# Altium PCB OSP_Carrier_V7_Release.PcbDoc (part 1 of 3)
Units mil, origin at the board's own origin, x right, y up, seen from the top; angles counter-clockwise.
Board outline 2523.62 x 2011.81 mil, 4 copper layers (Component Side, Signal Layer 1, Signal Layer 2, Solder Side), stack 62.2 mil thick; 153 components, 119 nets, 1098 pads, 392 vias.
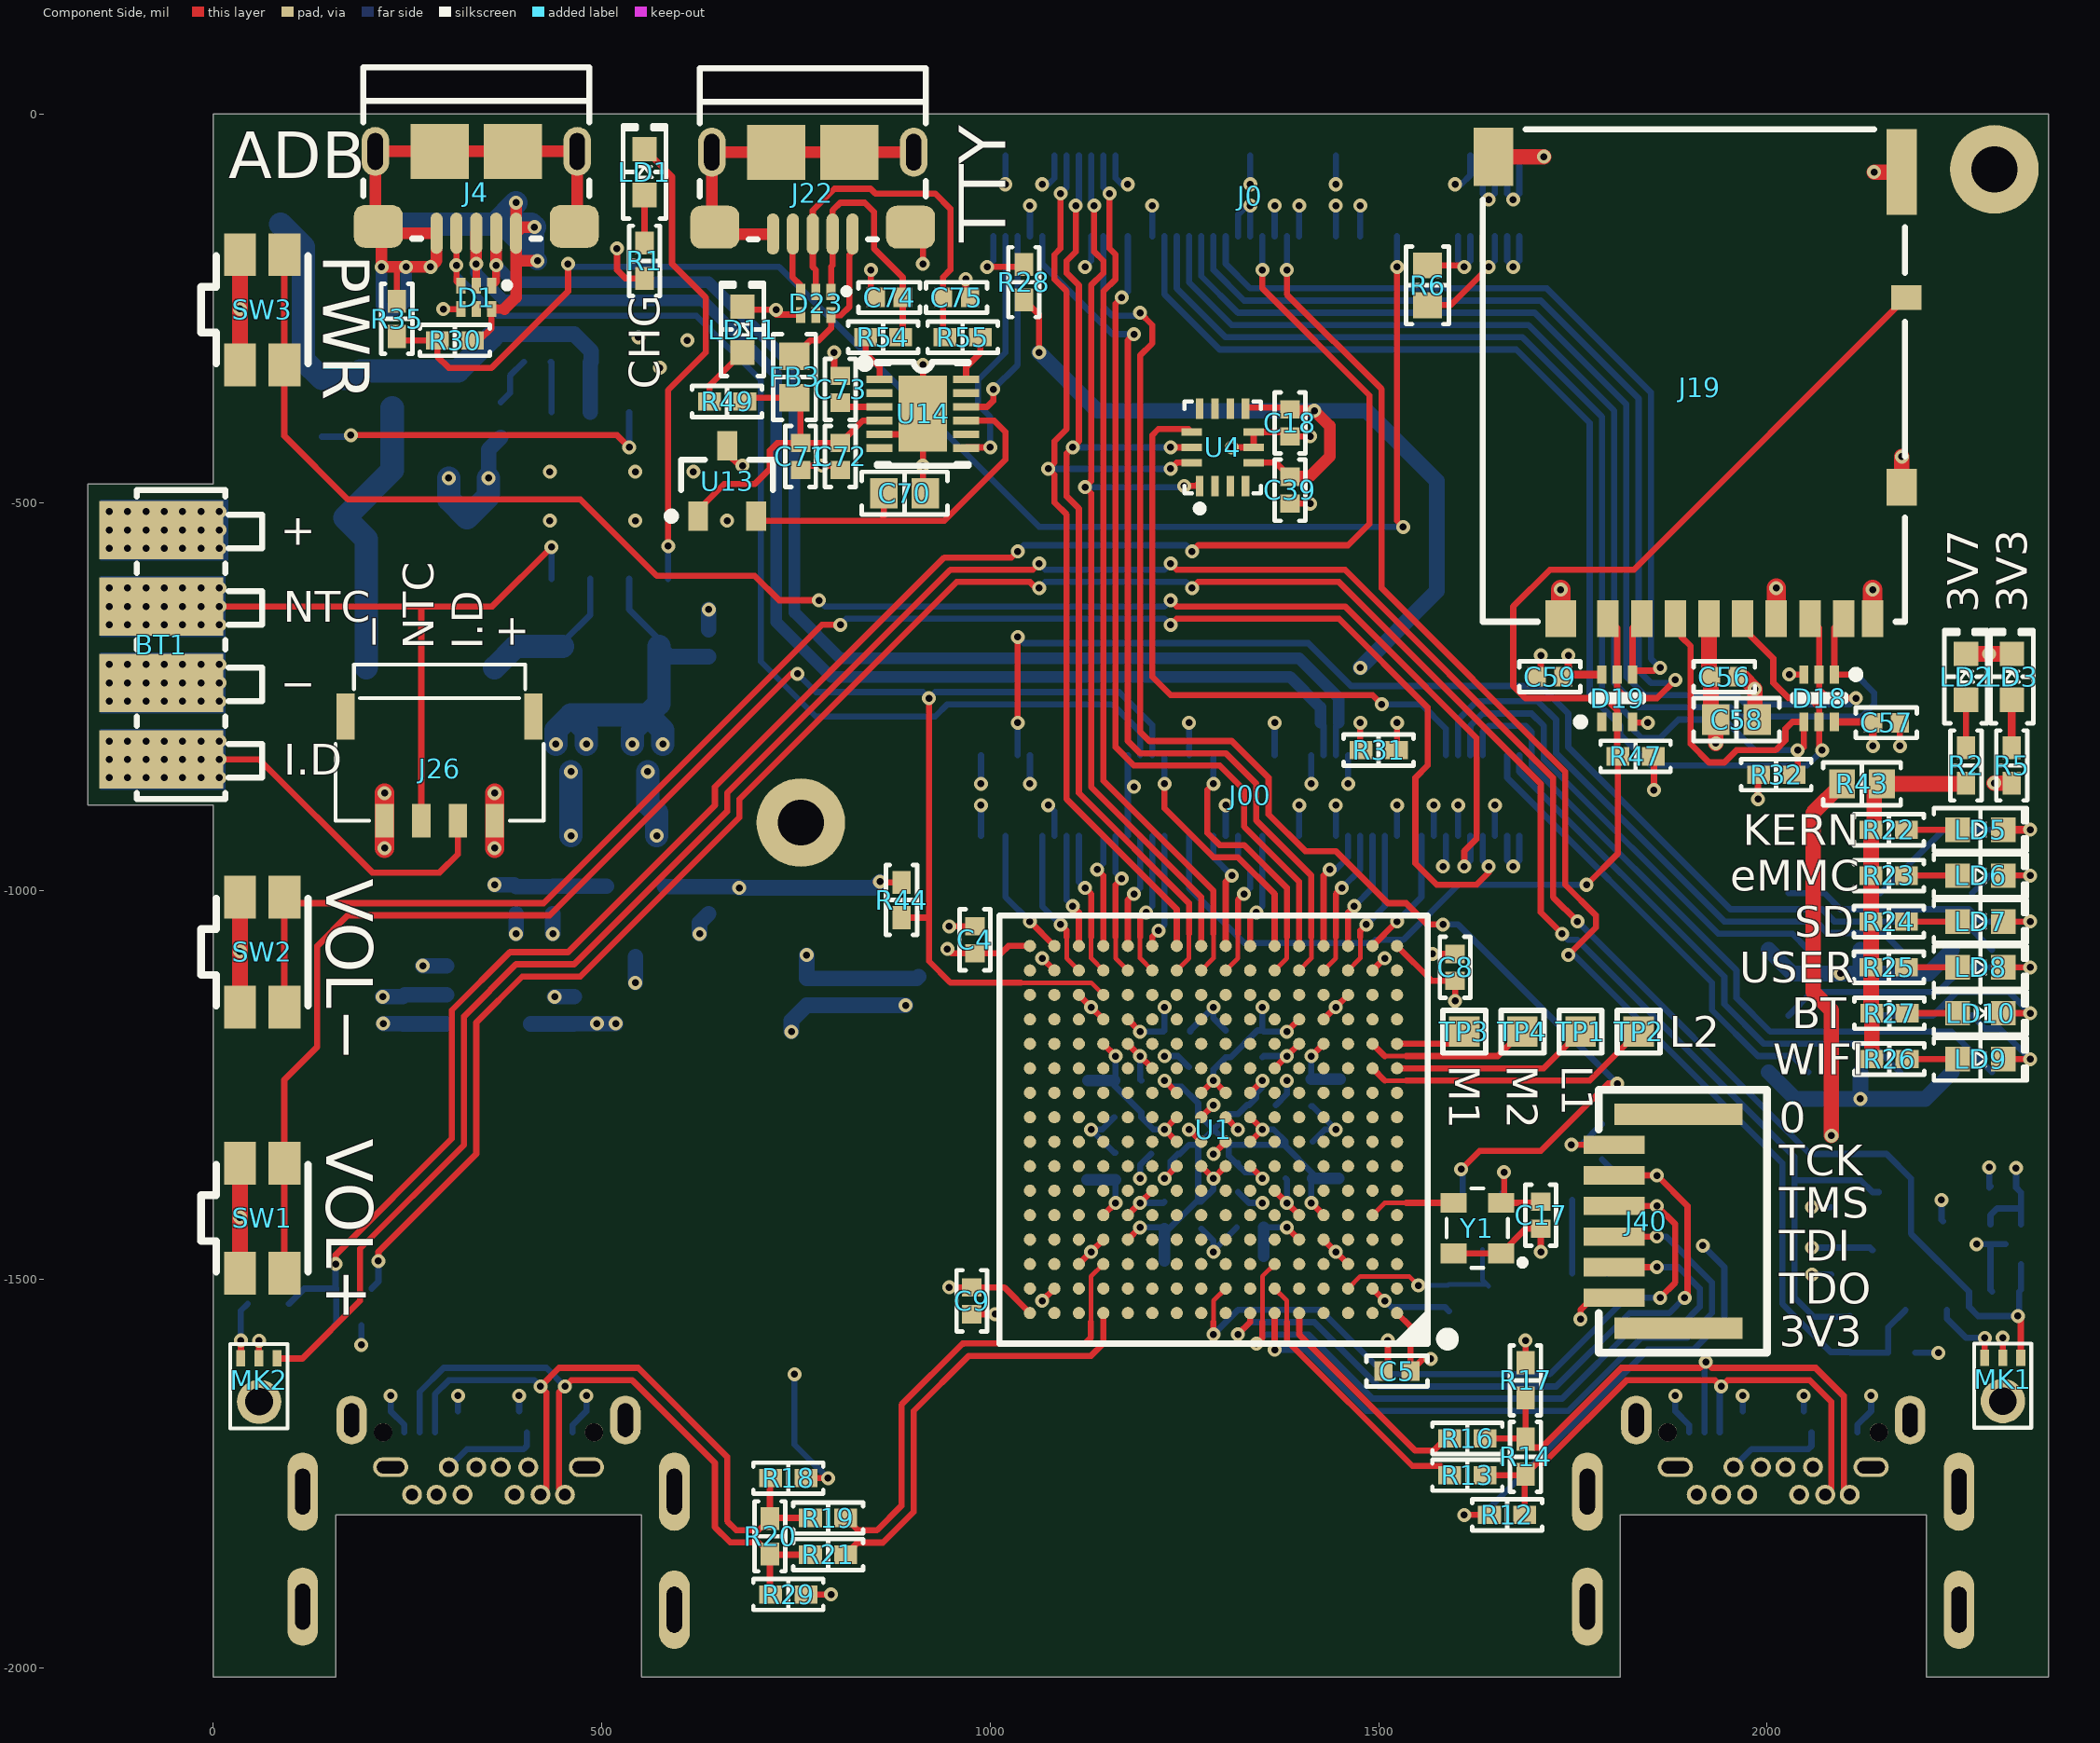
[diagram p0: Component Side view]
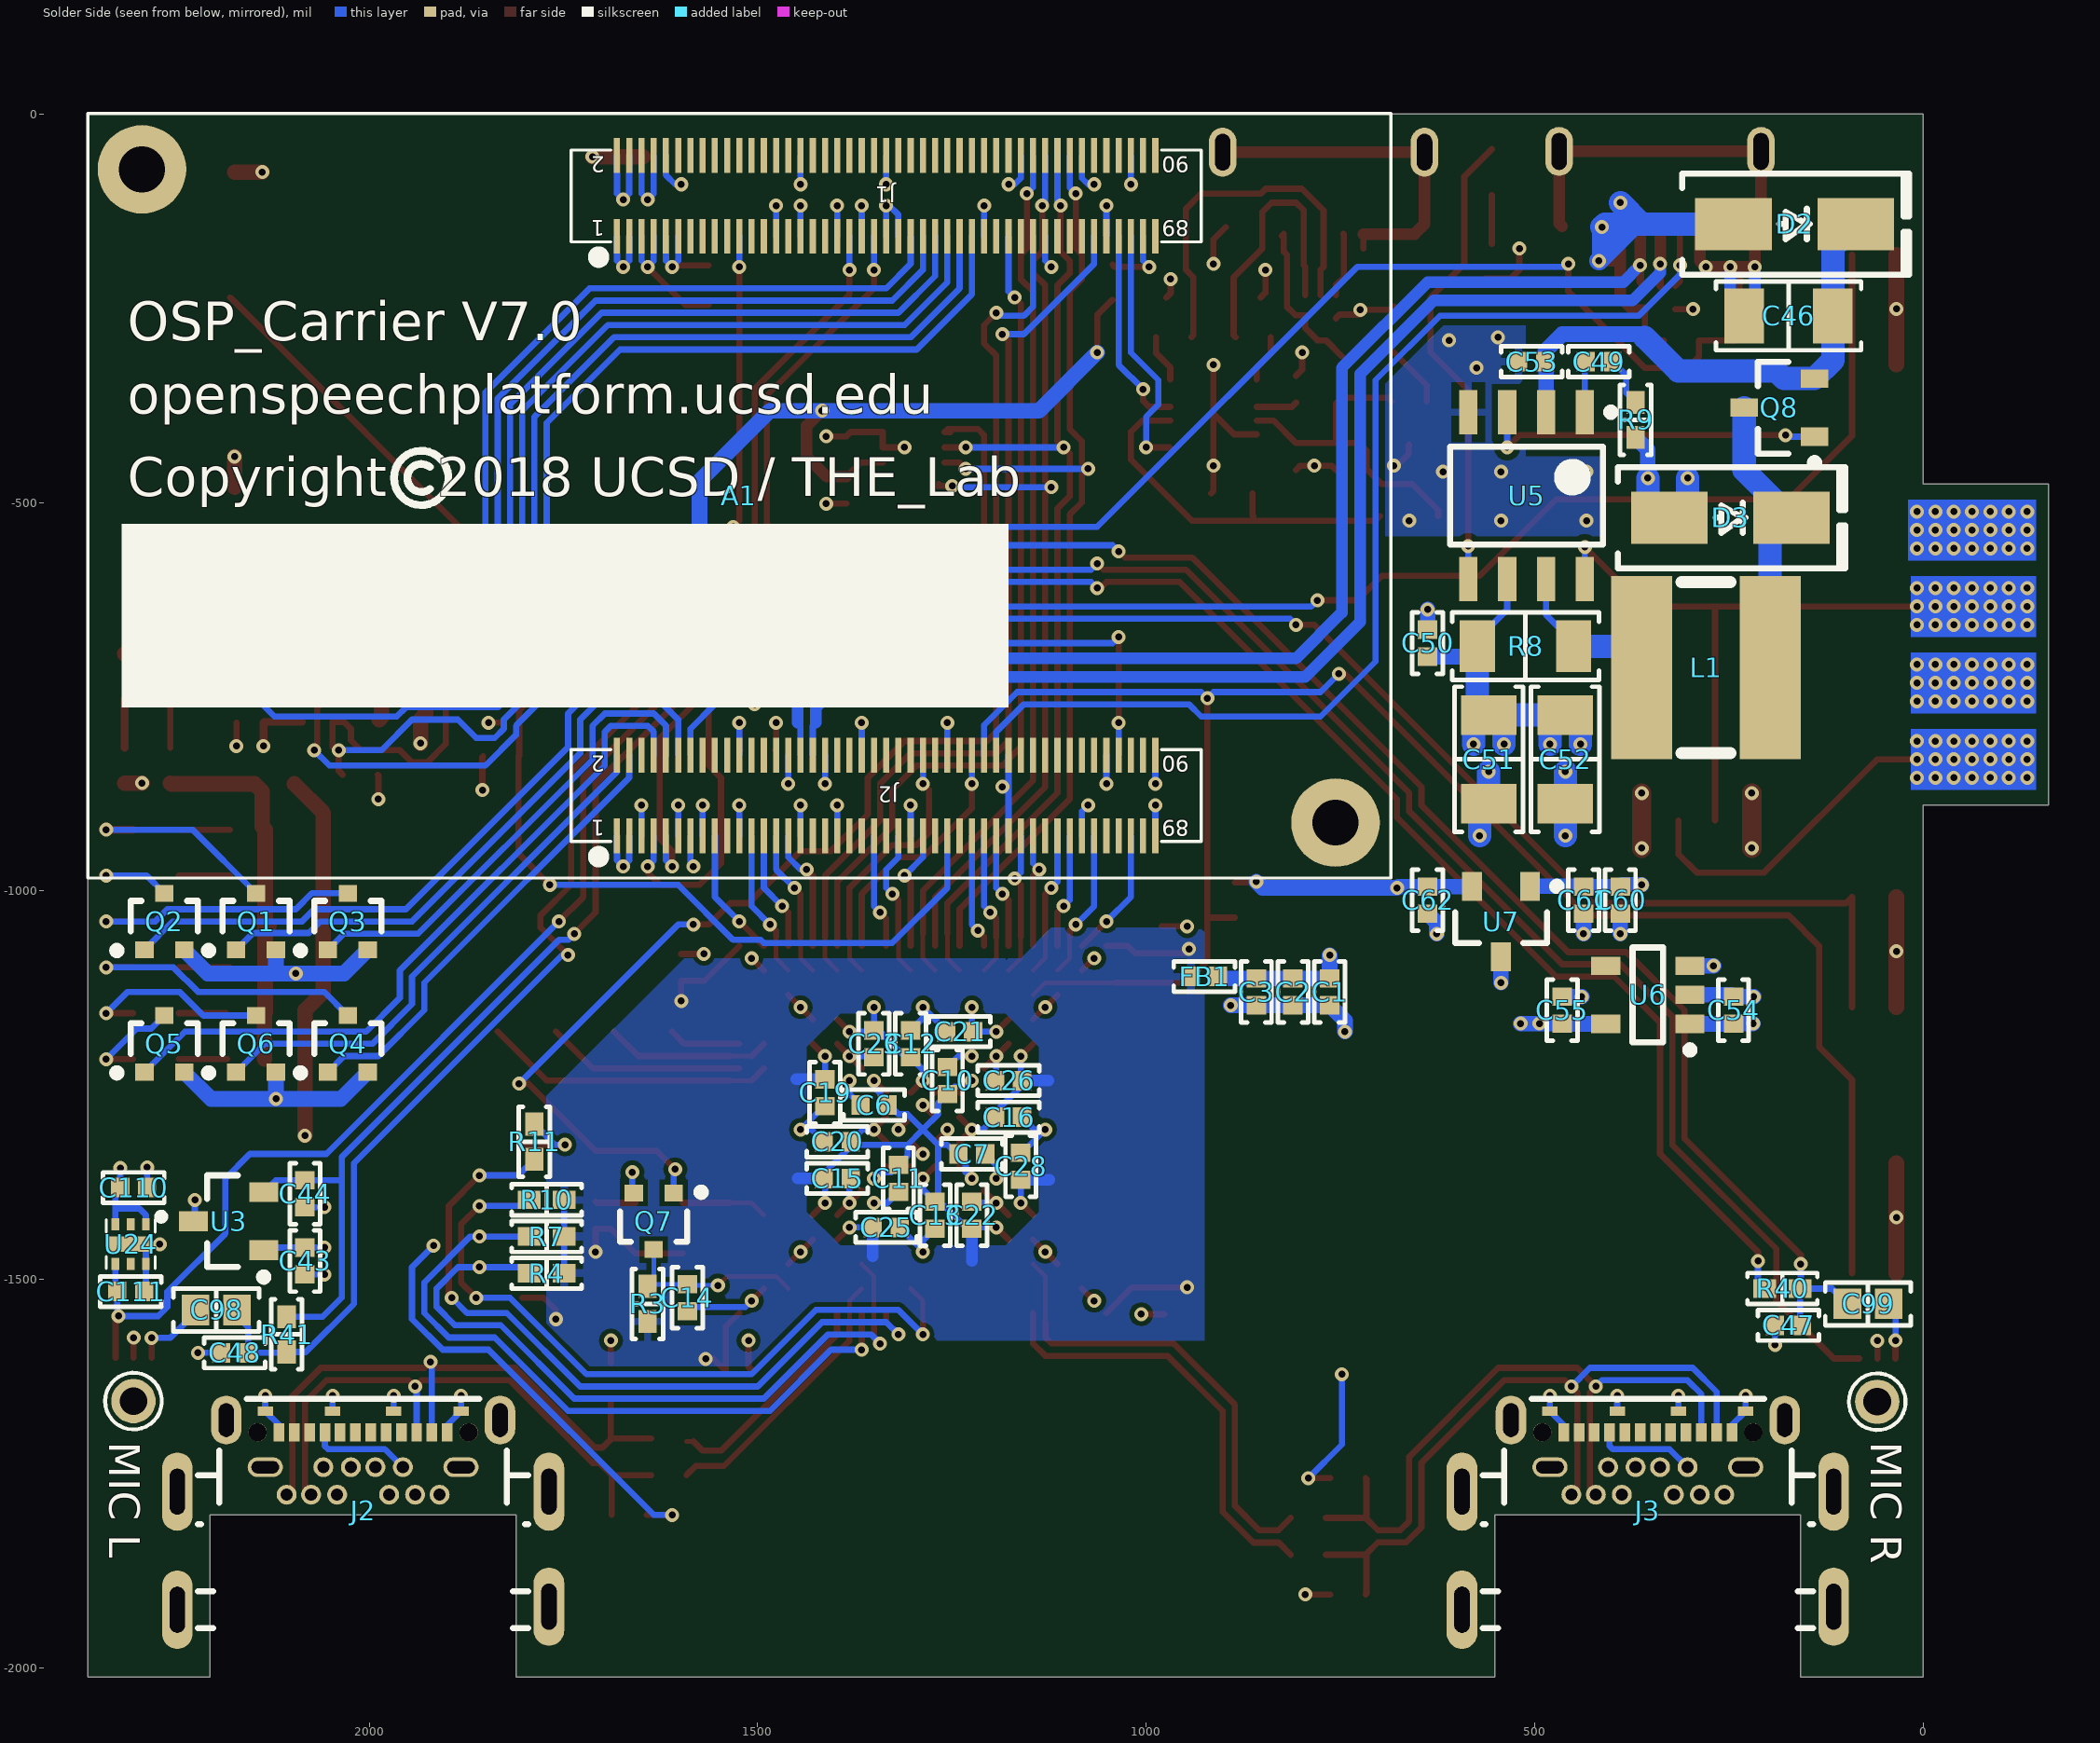
[diagram p1: Solder Side view, seen from below]
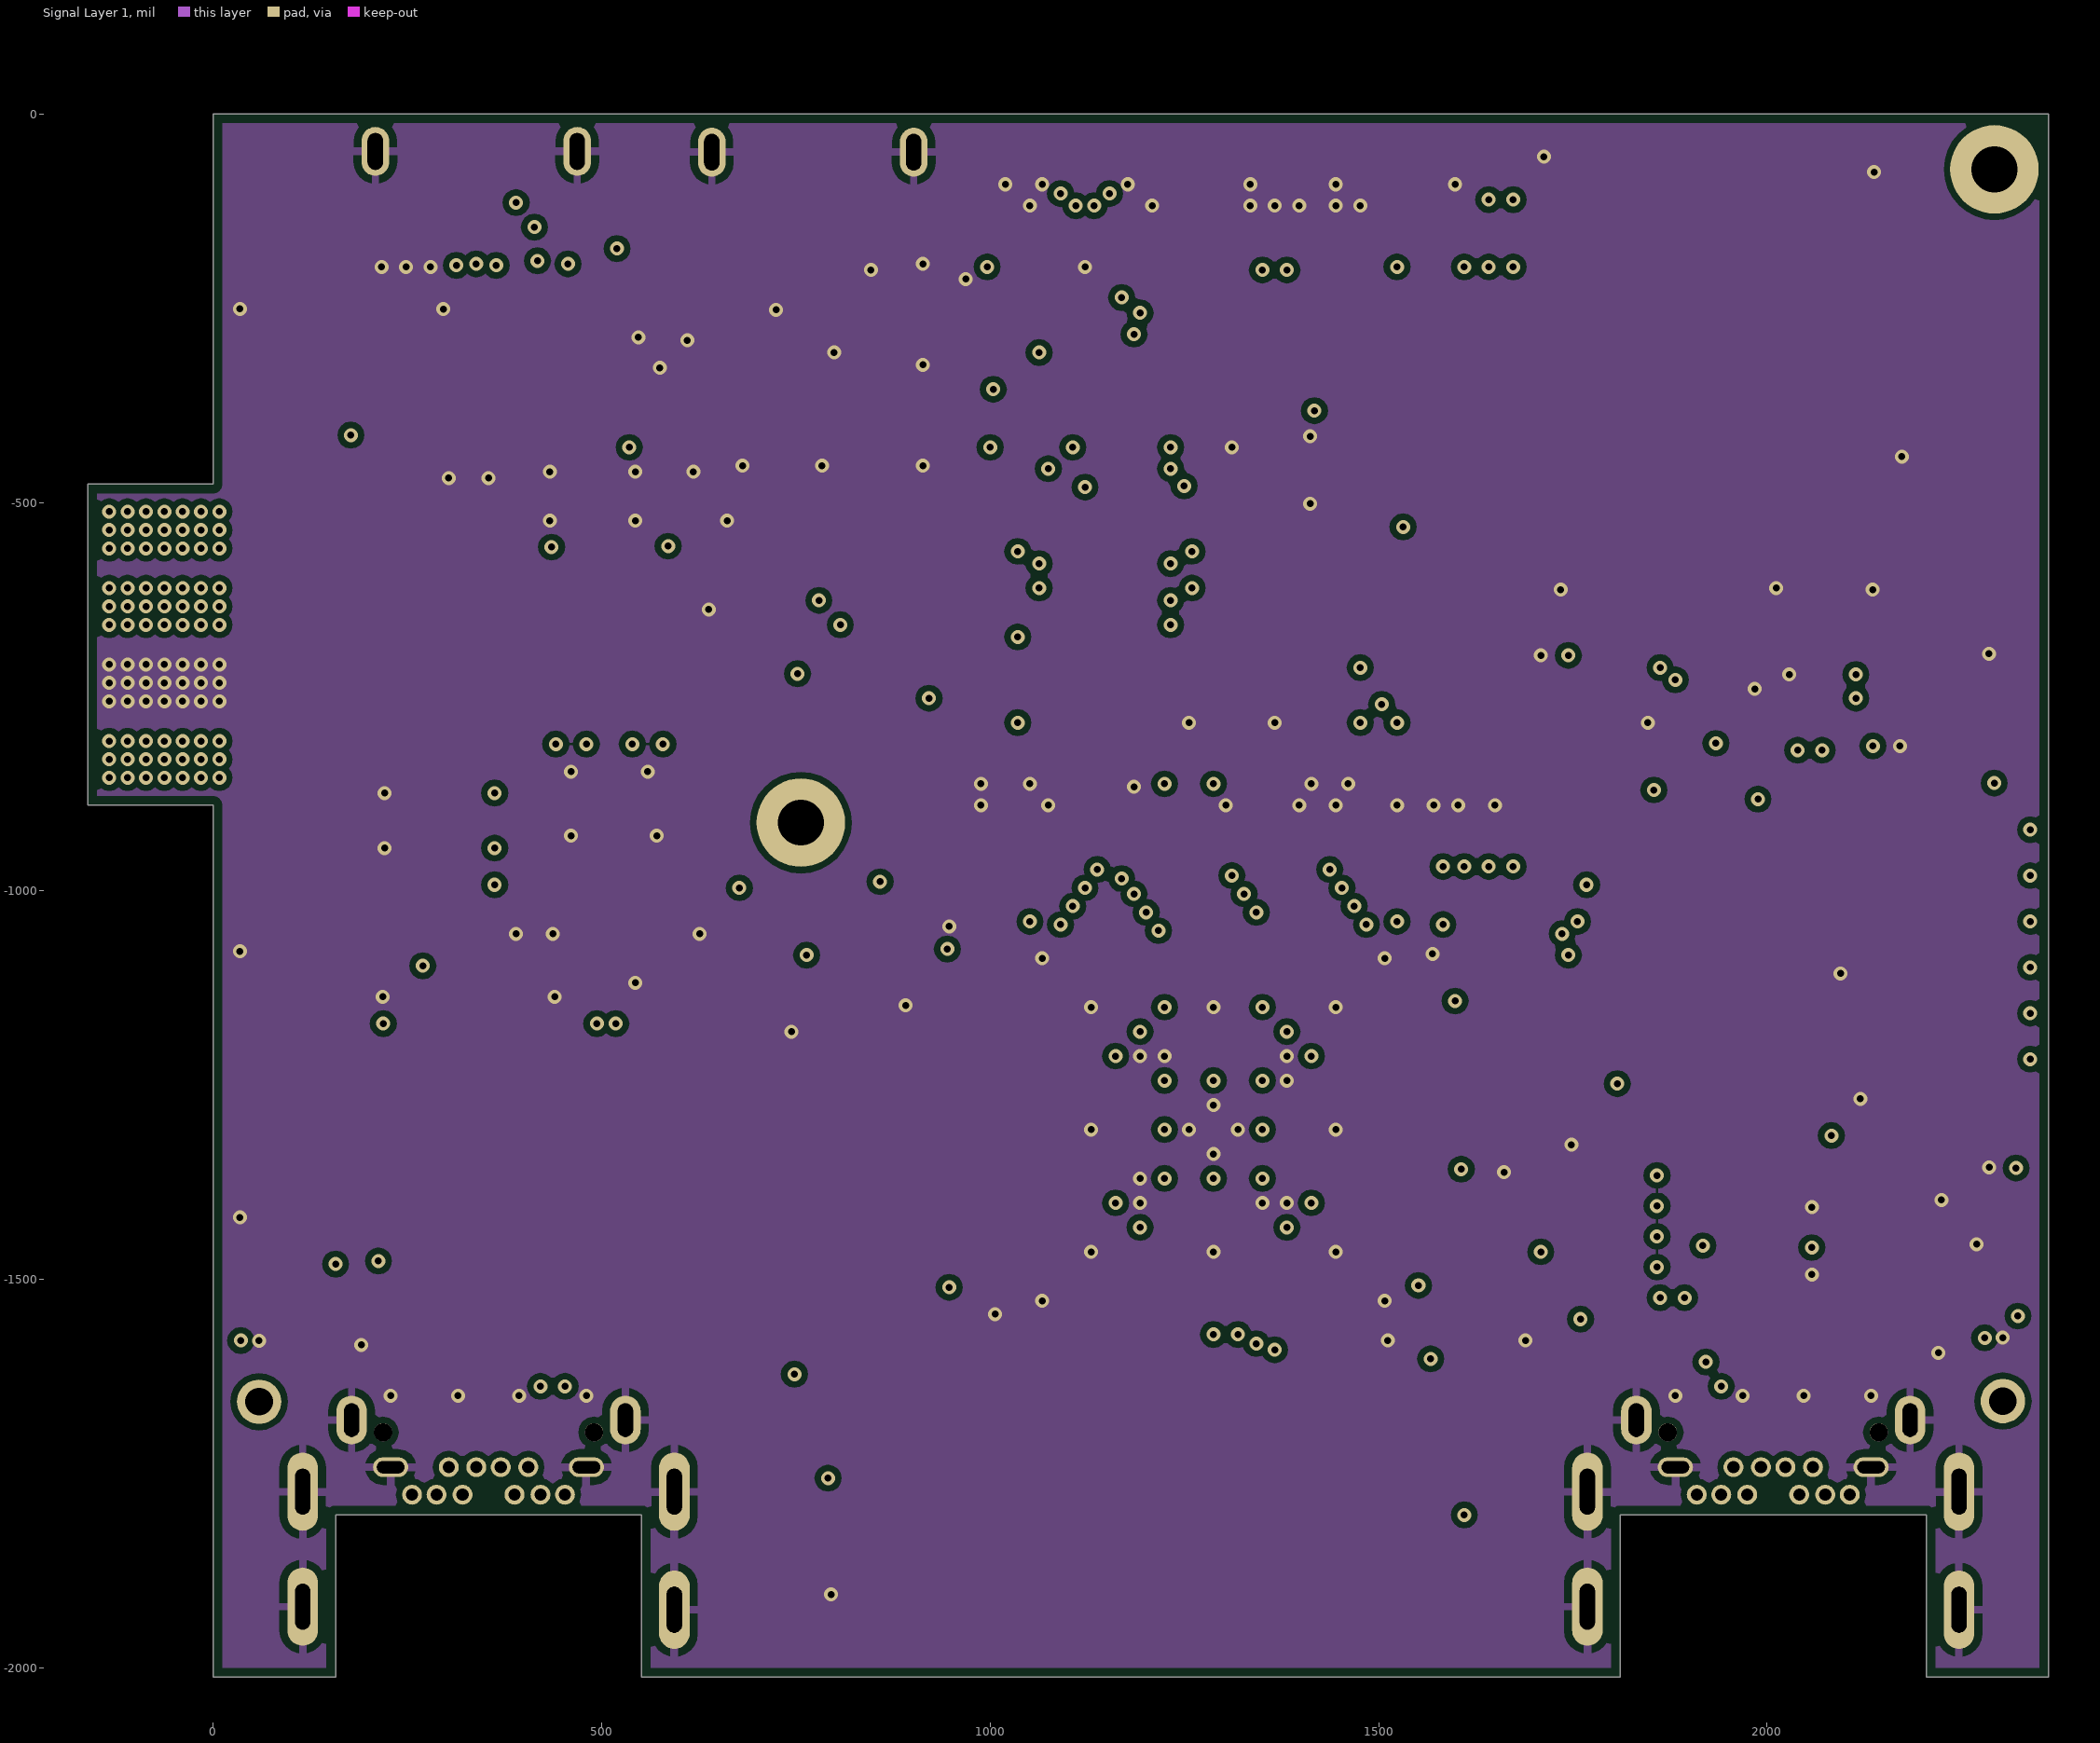
[diagram p2: Signal Layer 1]
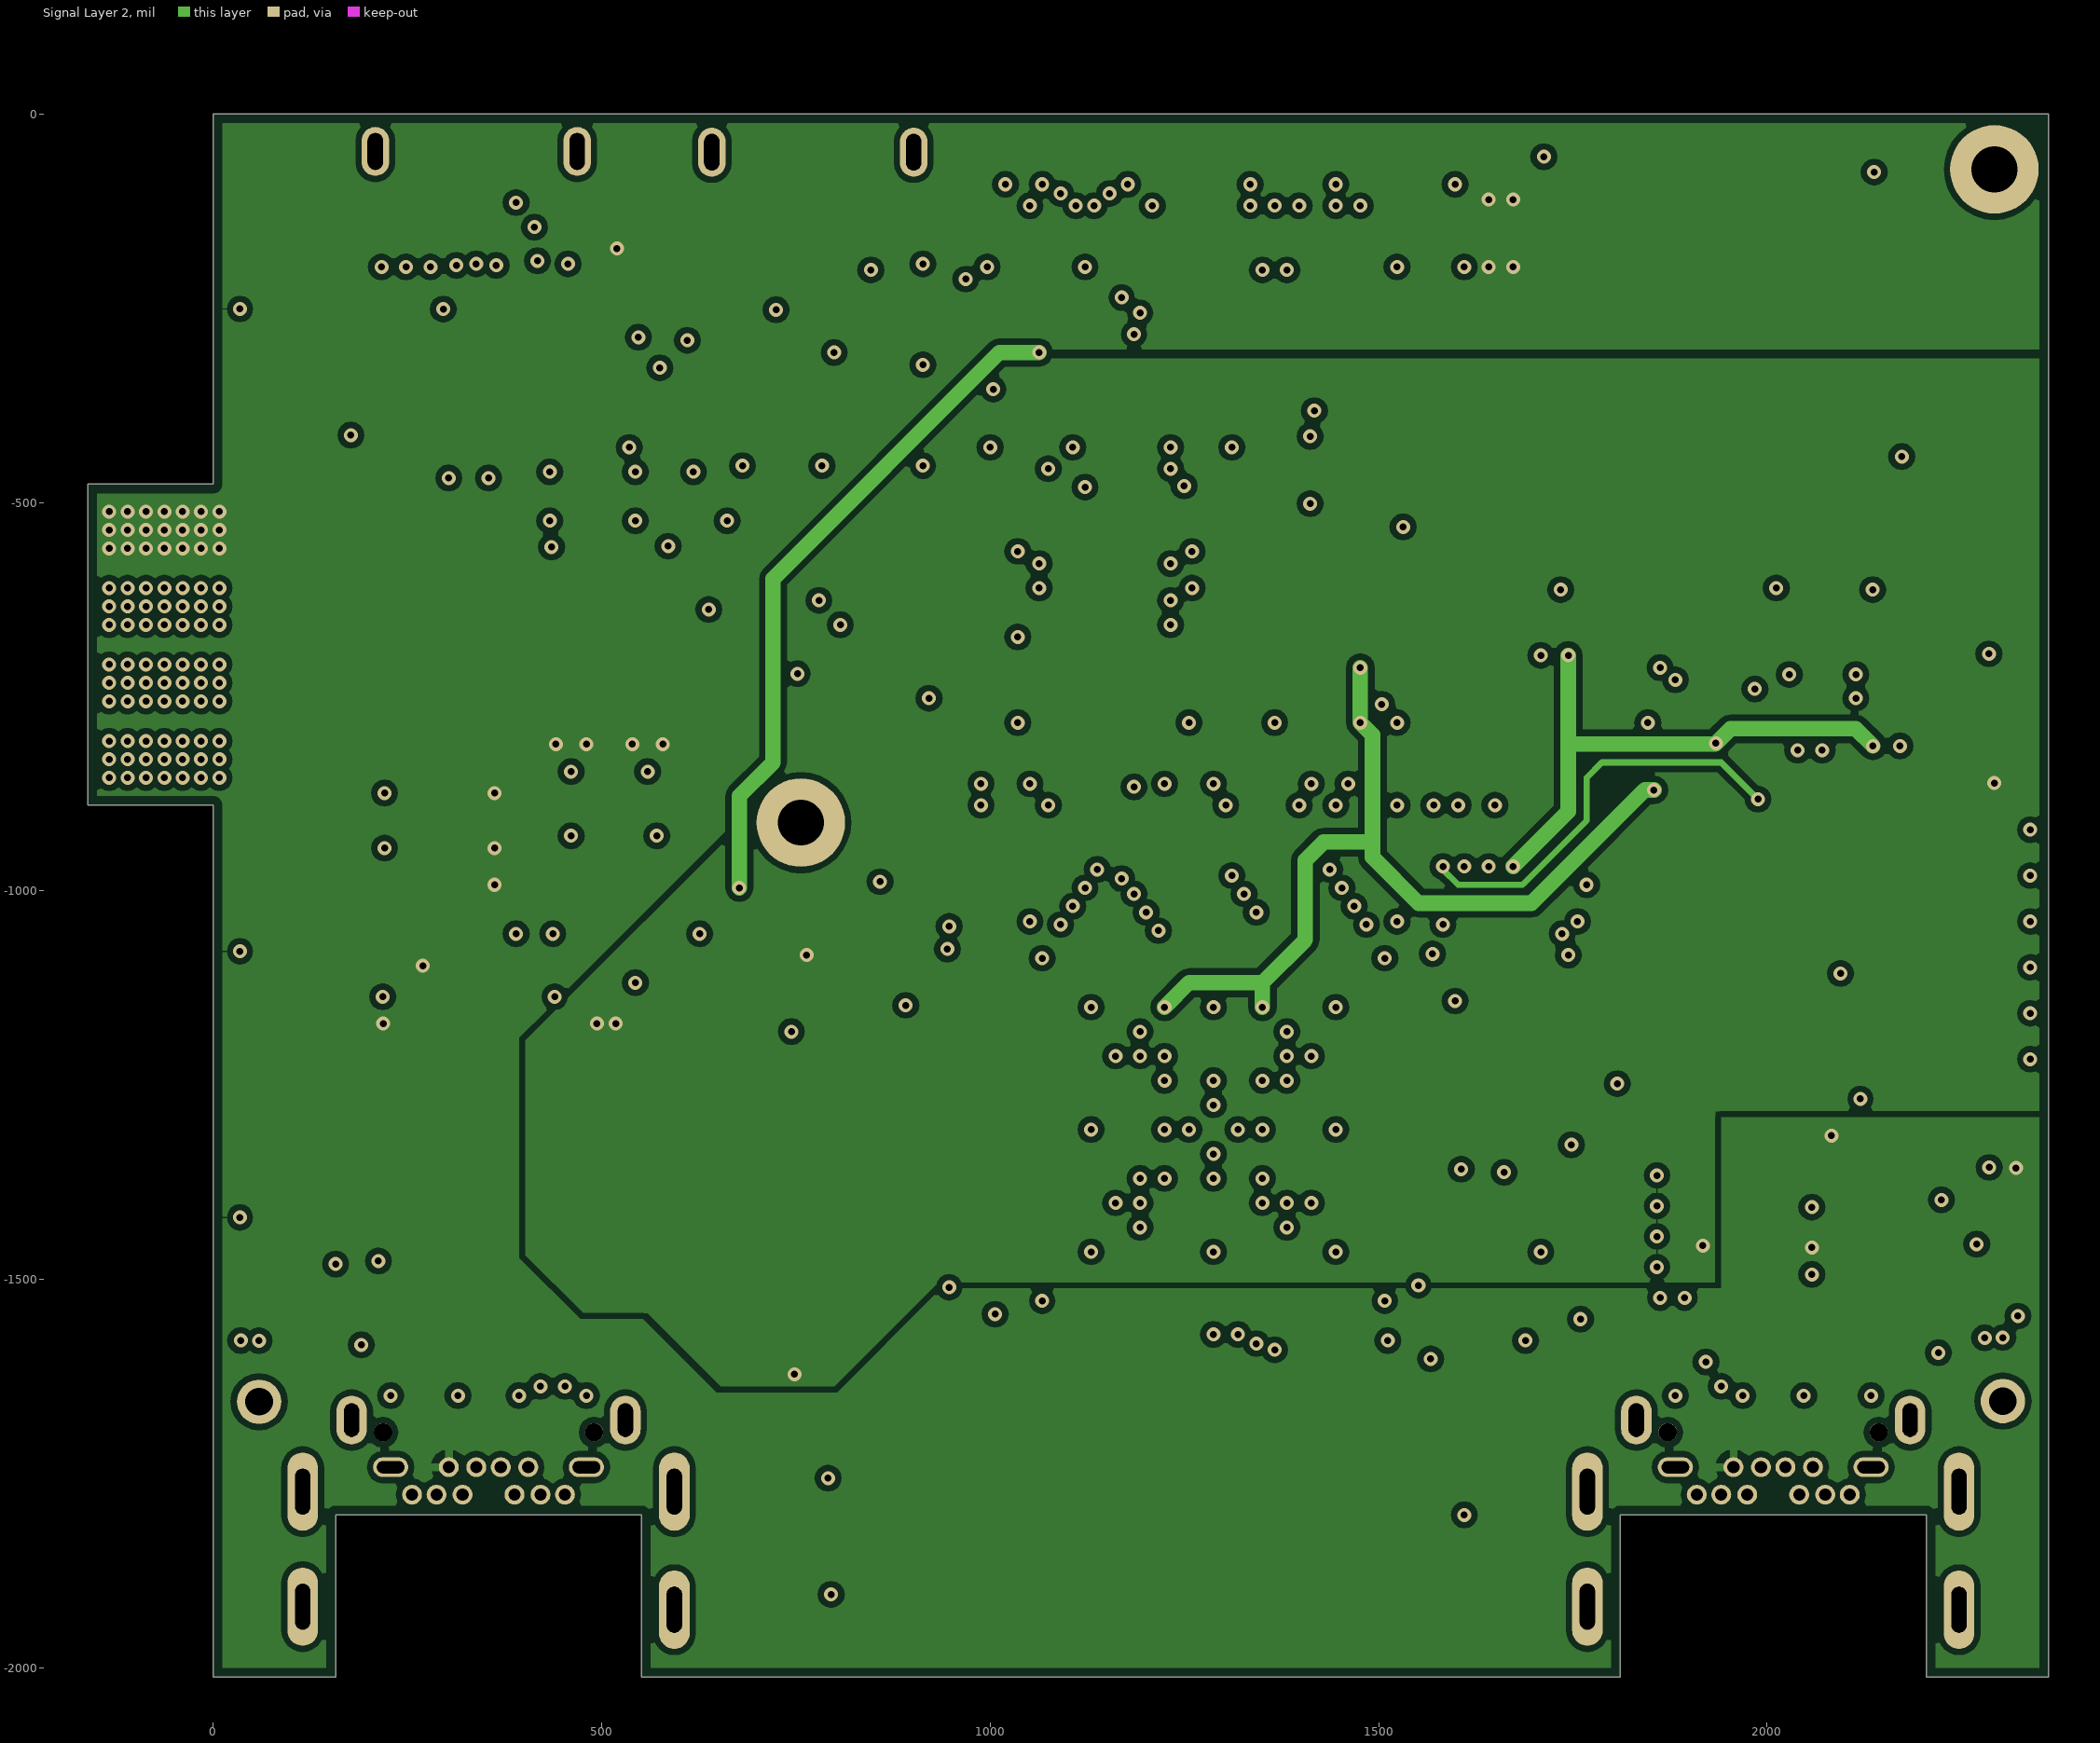
[diagram p3: Signal Layer 2]
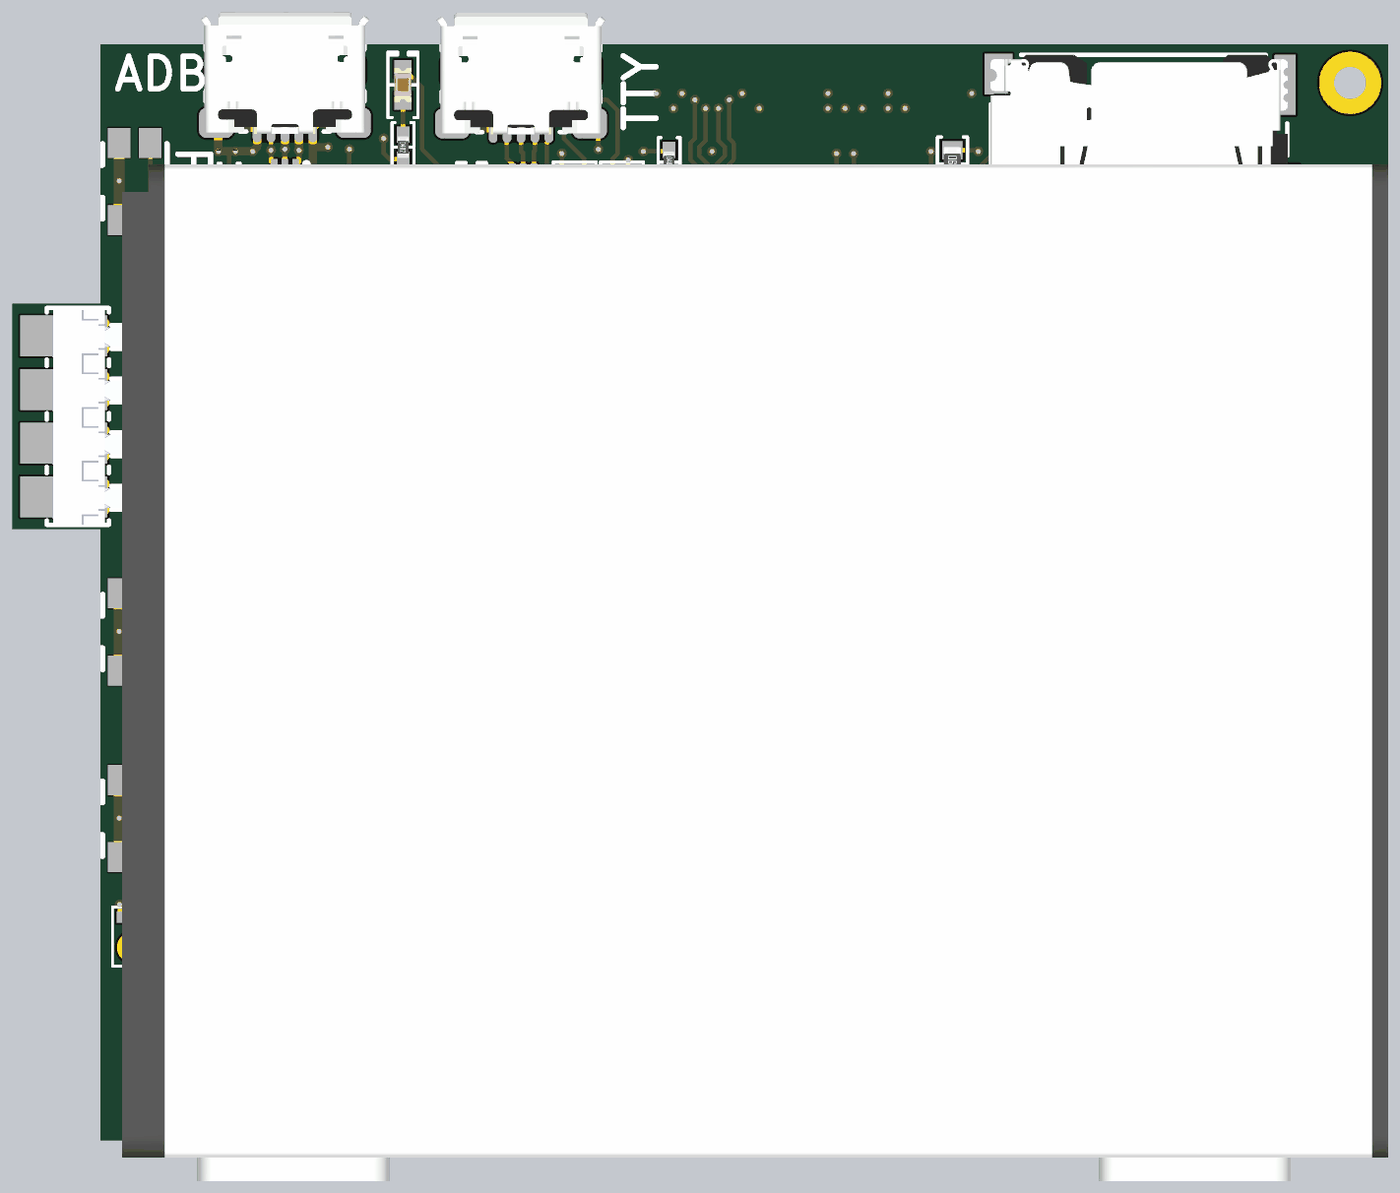
[diagram p6: 3D render of the assembled board from above, using the file's embedded part models]